# KiCad board st225_20301.kicad_pcb (continued)
## Routing (per net, layer and track width the routed paths; a pad name or vN(x,y) marks a point on that pad's centre or on a via; arc(x,y) is an arc through that point) (continued)
/Digital and Stepper/RA0: length 44.5
  Top w0.254: 7D1.8 77.23,153.16 84.96,153.16 87,151.13 v1(90.42,151.13)
  Bottom w0.254: v1(90.42,151.13) 90.42,146.69 93.98,143.13 93.98,140.34 92.2,138.56 90.81,138.56 90.42,138.18 90.42,135.89 91.69,134.62 91.69,129.67
/Digital and Stepper/RA1: length 37.1
  Top w0.254: v1(92.96,153.8) 90.3,153.8 89.03,152.53 86.49,152.53 85.22,153.8 79.13,153.8 7D1.7
  Bottom w0.254: v1(92.96,153.8) 92.96,149.61 94.62,147.96 94.62,140.21 6D1.2
/Digital and Stepper/RA2: length 32
  Top w0.254: 7D1.6 79,156.33 80.9,154.43 85.85,154.43 86.61,153.67 v1(87.88,153.67)
  Bottom w0.254: 6D1.5 85.85,139.06 89.03,139.06 90.42,140.46 90.42,143.89 87.88,146.43 v1(87.88,153.67)
/Digital and Stepper/RA3: length 48
  Bottom w0.254: 7D1.5 81.54,157.87 82.17,158.5 89.41,158.5 90.3,157.61 90.3,153.92 89.03,152.65 89.03,146.94 93.34,142.62 93.34,140.59 91.95,139.19 90.42,139.19 89.79,138.56 85.98,138.56 85.34,137.92 85.34,130.94 84.07,129.67
/Digital and Stepper/RA4: length 31.6
  Bottom w0.254: 81.53,129.67 81.53,133.35 80.14,134.75 80.14,137.92 81.28,139.06 83.95,139.06 85.34,140.46 85.34,152.4 84.07,153.67 84.07,156.46 7D1.4
/Digital and Stepper/RA5: length 24.1
  Bottom w0.254: 6D1.6 82.8,138.56 84.33,138.56 85.6,139.83 87.25,139.83 87.76,140.34 87.76,144.91 86.62,146.05 7D1.3
/Digital and Stepper/RA6: length 33.1
  Bottom w0.254: 6D1.9 73.91,137.67 75.56,139.32 79.63,139.32 80.26,139.95 80.26,151.26 82.8,153.8 82.8,157.1 83.57,157.86 87.63,157.86 89.02,156.47 7D1.2
/Digital and Stepper/RA7: length 44.2
  Top w0.254: v1(81.53,147.32) v1(91.69,147.32)
  Bottom w0.254: 73.91,129.67 73.91,133.48 75.06,134.62 75.06,137.92 75.69,138.56 79.88,138.56 81.03,139.7 82.17,139.7 82.68,140.21 82.68,144.91 81.53,146.05 v1(81.53,147.32) ; 7D1.1 91.69,156.46 v1(91.69,147.32)
/Digital and Stepper/START/~{RUN}: length 76.5
  Top w0.254: 5B1.14 87.88,128.52 104.14,128.52 104.9,129.29 107.31,129.29 v1(107.44,129.16)
  Bottom w0.254: v1(107.44,129.16) 105.66,130.94 105.66,141.22 106.3,141.86 106.3,145.42 109.6,148.72 109.6,149.73 107.95,151.38 107.95,154.43 108.71,155.19 110.87,155.19 113.41,152.65 113.41,151.13 117.35,147.19 119.76,147.19 122.05,144.91 123.19,144.91 R50.2
DIR: length 54.2
  Top w0.254: 15.23,71.37 16.01,71.37 19.81,67.56 23.62,67.56 24.77,68.71 31.75,68.71 32.51,69.47 v1(34.29,69.47)
  Bottom w0.254: 33.02,40.77 34.29,42.04 34.29,49.02 33.78,49.53 32.38,49.53 31.75,50.17 31.75,53.98 35.05,57.28 35.05,68.71 v1(34.29,69.47)
FREF: length 62.6
  Top w0.254: 5B1.11 96.52,124.71 106.55,124.71 108.08,123.19 110.11,123.19 110.87,123.95 115.57,123.95 v1(120.14,119.38)
  Top w0.508: v1(133.86,123.19) 133.86,123.57 132.08,125.35 130.7,125.35
  Bottom w0.254: 135.38,110.24 134.24,110.24 133.1,111.38 133.1,122.43 v1(133.86,123.19) ; 130.7,125.35 130.7,124.48 129.79,123.57 124.84,123.57 120.65,119.38 v1(120.14,119.38)
HALL_IN: length 271.1
  Top w0.254: v1(71.12,40.13) 69.09,40.13 67.18,42.04 62.23,42.04 v1(61.09,43.18) ; 4A1.2 128.37,97.92 120.27,97.92 119.63,97.28 116.71,97.28 115.95,98.04 115.95,100.46 114.68,101.73 4B1.3 ; v1(102.87,53.85) 99.31,53.85 v1(98.93,53.47) ; 2J1.11 12.44,48.38 2J1.3 17.52,48.89 19.56,50.93 23.37,50.93 24.64,49.66 26.42,49.66 26.8,50.04 26.8,51.69 30.35,55.25 36.83,55.25 40.26,58.67 63.12,58.67 v1(63.5,59.06) ; v1(118.11,39.37) 113.79,39.37 112.65,38.23 v1(110.36,38.23) 108.33,40.26 v1(108.33,44.7)
  Bottom w0.254: v1(108.33,44.7) 108.33,47.24 106.81,48.77 105.41,48.77 102.87,51.31 v1(102.87,53.85) 102.87,56.01 103.5,56.64 103.5,59.82 104.27,60.58 104.27,65.66 106.04,67.44 106.04,69.98 104.27,71.76 104.27,79.38 113.03,86.49 113.03,89.66 111.89,90.81 111.89,91.88 113.16,93.15 113.16,94.74 112.52,95.38 112.52,99.95 4B1.3 ; 108.71,30.48 110.36,32.13 v1(110.36,38.23) ; 71.75,38.86 73.66,38.86 74.29,38.23 78.23,38.23 81.28,41.28 85.85,41.28 88.39,43.82 88.39,47.88 89.03,48.51 89.03,50.93 92.07,53.98 98.42,53.98 v1(98.93,53.47) ; 71.75,38.86 71.75,37.21 73.03,35.94 73.03,31.12 72.26,30.35 72.26,29.21 1E1.9 ; 71.75,38.86 71.75,39.5 v1(71.12,40.13) ; J4.1 126.88,39.88 123.82,39.88 123.06,40.64 119.38,40.64 v1(118.11,39.37) ; v1(63.5,59.06) 63.5,55.5 62.23,54.23 62.23,44.32 v1(61.09,43.18)
LIFE_TEST: length 143.5
  Top w0.254: 5B1.33 101.73,109.47 99.31,107.06 98.17,107.06 R32.2 ; v1(48.77,46.48) 52.07,46.48 53.85,48.26 61.72,48.26 64.13,45.85 67.18,45.85 69.22,47.88 72.26,47.88 74.29,45.85 v1(78.1,45.85)
  Bottom w0.254: R32.2 97.92,99.19 92.2,93.47 92.2,60.45 85.85,54.1 85.85,51.44 85.22,50.8 85.22,46.99 82.68,44.45 79.5,44.45 v1(78.1,45.85) ; J7.8 44.45,21.59 44.45,23.88 45.72,25.15 45.72,30.61 46.48,31.37 47.24,31.37 48.26,32.39 48.26,34.04 47.5,34.8 47.5,36.07 48.26,36.83 48.26,45.97 v1(48.77,46.48)
RD_DATA: length 192.5
  Top w0.254: v1(9.65,101.22) C15.2 ; 1D1.2 87.76,16.76 85.98,16.76 84.33,18.42 83.19,18.42 82.68,17.91 82.68,17.4 81.91,16.64 70.23,16.64 68.45,14.86 66.8,14.86 65.91,13.97 63.75,13.97 61.21,16.51 59.18,16.51 58.55,15.88 58.55,13.97 54.36,13.97 51.94,16.38 34.54,16.38 32.77,14.61 28.7,14.61 27.3,16 26.03,16 25.4,15.37 25.4,14.73 24.64,13.97 23.62,13.97 21.84,15.75 17.27,15.75 v1(15.88,17.15)
  Bottom w0.254: v1(15.88,17.15) 15.37,17.65 12.19,17.65 11.3,18.54 11.3,35.81 8.13,38.99 8.13,60.58 10.8,63.25 10.8,91.82 8.89,93.73 8.89,95 9.65,95.76 v1(9.65,101.22) 11.68,103.25 14.1,103.25 17.92,107.08 17.92,108.08
READY: length 142.6
  Top w0.254: 1F1.1 63.37,15.37 61.47,17.27 58.8,17.27 58.17,16.64 55.88,16.64 53.47,19.05 48.01,19.05 47.37,18.42 32.12,18.42 1H1.2 ; v1(28.07,92.33) 24.89,95.5 14.09,95.5 4J1.12
  Bottom w0.254: v1(28.07,92.33) 28.7,91.69 28.7,85.85 27.43,84.58 27.43,79.63 RP13.6 27.43,75.82 28.7,75.82 30.1,74.42 30.1,63.5 32.38,61.21 32.38,56.9 30.48,54.99 30.48,49.02 31.24,48.26 31.24,37.08 27.56,33.4 27.56,22.99 25.4,20.83 25.4,19.18 26.16,18.42 28.31,18.42 1H1.2
RECOVERY_MODE: length 128.2
  Top w0.254: v1(33.02,85.34) 27.18,85.34 v1(25.4,87.12) ; v1(74.93,114.43) 75.95,114.43 76.96,113.41 78.61,113.41 81.03,115.82 82.93,115.82 83.69,115.06 85.34,115.06 85.98,115.7 87.12,115.7 88.01,114.81 91.31,114.81 92.07,115.57 93.6,115.57 94.74,114.43 v1(98.55,114.43) ; v1(44.45,99.06) 43.56,99.95 v1(40.77,99.95)
  Bottom w0.254: 5B1.36 108.08,113.16 99.82,113.16 v1(98.55,114.43) ; 3J1.6 21.46,80.38 21.46,84.58 22.23,85.34 23.62,85.34 v1(25.4,87.12) ; v1(74.93,114.43) 74.93,110.24 70.99,106.3 58.04,106.3 54.36,102.62 52.07,102.62 49.91,100.46 46.74,100.46 45.34,99.06 v1(44.45,99.06) 44.45,91.19 38.61,85.34 v1(33.02,85.34)
  Bottom w0.508: R51.2 v1(40.77,99.95)
RMODE_IN: length 95.4
  Top w0.254: 3J1.5 24,77.6 24,77.6 24,78.23 24.64,78.87 v1(38.23,78.87) ; RP14.7 43.18,38.23 v1(43.31,38.1) 44.45,36.96 v1(52.07,36.96)
  Bottom w0.254: v1(52.07,36.96) 52.07,34.54 52.71,33.91 52.71,31.75 50.29,29.34 49.53,29.34 48.26,28.07 48.26,27.05 49.53,25.78 49.53,24.13 50.8,22.86 ; v1(43.31,38.1) 44.58,39.37 44.58,65.02 43.18,66.42 43.18,73.91 v1(38.23,78.87)
SEEK_COMPLETE: length 94.5
  Top w0.254: 25.4,50.93 24,52.32 24,52.83 23.24,53.59 19.43,53.59 18.29,54.74 v1(13.21,54.74) ; v1(17.27,91.19) 16.77,91.69 4J1.13
  Bottom w0.254: 1J1.1 17.78,21.58 17.78,28.19 18.92,29.34 18.92,38.23 19.56,38.86 21.59,38.86 24,41.28 24,49.53 25.4,50.93 ; v1(13.21,54.74) 13.21,58.67 16.64,62.1 16.64,67.44 16.51,67.56 16.51,69.72 17.14,70.36 17.14,75.18 16.64,75.69 16.64,90.55 v1(17.27,91.19)
STEP: length 57.6
  Top w0.254: v1(12.06,67.56) 13.84,69.34 13.84,72.14 14.35,72.64 16.26,72.64 16.89,72.01 16.89,71.18 19.25,68.83 3J1.2 ; v1(10.8,97.92) 19.29,97.92 4J1.4
  Bottom w0.254: v1(10.8,97.92) 10.8,96.39 11.43,95.76 11.43,70.1 12.06,69.47 v1(12.06,67.56)
WCURR0: length 133.1
  Top w0.254: v1(72.39,42.42) 72.39,39.12 71.75,38.48 71.75,37.08 72.52,36.32 74.29,36.32 v1(74.93,36.96)
  Bottom w0.254: 5B1.6 106.81,125.73 105.79,124.71 105.79,118.49 104.9,117.6 97.79,117.6 92.84,112.65 92.84,109.98 85.09,102.24 85.09,62.1 76.84,53.85 76.84,49.02 73.41,45.59 73.41,43.43 v1(72.39,42.42) ; v1(74.93,36.96) 74.93,30.86 73.66,29.59 73.66,23.5 72.39,22.23 72.39,19.18 1E1.13
WCURR1: length 124.6
  Top w0.254: v1(73.03,37.47) 73.66,38.1 v1(73.66,40.64)
  Bottom w0.254: 5B1.5 106.3,124.08 106.3,117.86 104.78,116.33 97.79,116.33 95.38,113.92 95.38,111.25 86.36,102.24 86.36,62.1 77.98,53.72 77.98,48.64 74.17,44.83 74.17,41.15 v1(73.66,40.64) ; 1E1.11 73.03,24.89 73.03,30.23 73.66,30.86 73.66,36.83 v1(73.03,37.47)
WRITE_FAULT: length 170.3
  Top w0.254: 4H1.12 23.11,96.77 v1(26.92,96.77) ; v1(58.55,49.66) 56.51,49.66 55.88,49.02 53.34,49.02 52.07,47.75 48.51,47.75 45.34,44.58 43.82,44.58 41.91,42.67 41.91,40.64 40.64,39.37 32.77,39.37 32.64,39.5 v1(26.67,39.5) ; v1(35.69,82.8) 32.38,79.5 28.96,79.5 28.19,80.26 RP13.7 ; 1J1.11 1J1.4
  Bottom w0.254: v1(35.69,82.8) 36.96,84.07 39.62,84.07 46.99,76.71 46.99,75.18 58.55,63.63 v1(58.55,49.66) 58.55,46.48 59.05,45.97 59.05,37.97 60.83,36.2 60.83,30.86 62.61,29.08 62.61,27.81 1F1.5 ; 1J1.4 21.46,28.07 21.46,36.83 24.13,39.5 v1(26.67,39.5) ; RP13.7 24.26,81.53 24.26,84.2 26.8,86.74 26.8,89.66 25.4,91.06 25.4,94.11 26.03,94.74 26.03,95.89 v1(26.92,96.77)
~{DC_UNSAFE}: length 162.6
  Top w0.254: 1D1.10 80.01,29.34 76.58,29.34 70.23,35.69 67.18,35.69 65.91,34.42 59.05,34.42 57.79,33.15 53.98,33.15 52.71,34.42 48.13,34.42 47.5,35.05 44.58,35.05 43.82,34.29 34.29,34.29 31.75,31.75 28.7,31.75 27.3,33.15 24.77,33.15 23.37,31.75 21.97,31.75 20.57,33.15 19.69,33.15 v1(12.7,40.13)
  Bottom w0.254: v1(12.7,40.13) 11.94,40.89 11.94,58.55 13.97,60.58 13.97,69.6 14.48,70.1 15.88,70.1 16.51,70.74 16.51,74.8 16.13,75.18 14.48,75.18 13.84,75.82 13.84,82.3 15.37,83.82 15.37,93.85 14.73,94.49 14.73,98.81 18.41,102.49 18.41,104.52 19.81,105.92 25.92,105.92 28.08,108.08
~{INDEX}: length 37.7
  Top w0.254: v1(73.66,21.59) 73.53,21.72 69.47,21.72 68.71,22.48 66.93,22.48 66.17,21.72 61.72,21.72 60.45,22.99 1F1.11
  Bottom w0.254: v1(73.66,21.59) 73.66,14.22 78.36,9.53 79.25,9.53 80.52,8.26 J1.20
~{OUT_EN}: length 214.9
  Top w0.254: v1(28.7,94.23) 28.7,97.03 27.81,97.92 21.83,97.92 4J1.5 15.36,99.31 4J1.9 ; 1J1.10 1J1.5 21.46,28.05 21.46,24.77 22.1,24.13 23.75,24.13 24.13,24.51 24.13,26.04 24.89,26.8 27.18,26.8 28.57,25.4 1H1.4 32.25,27.43 47.62,27.43 49.02,26.04 50.29,26.04 51.69,27.43 54.86,27.43 56.77,25.53 1F1.10 59.18,25.53 61.6,23.11 64.77,23.11 1F1.4 ; 1F1.2 63.25,19.56 62.48,19.56 61.6,18.67 58.04,18.67 1F1.13 ; v1(45.97,73.79) R9.2
  Bottom w0.254: v1(28.7,94.23) 29.34,93.6 29.34,85.34 31.88,82.8 33.66,82.8 34.8,81.66 36.32,81.66 37.46,82.8 39.5,82.8 45.97,76.33 v1(45.97,73.79) 46.1,73.79 54.74,65.15 54.74,38.86 58.55,35.05 58.55,26.8 1F1.10 ; 1F1.2 63.5,19.3 63.5,21.59 1F1.4 ; 1J1.5 18.29,27.44 18.29,23.61 1J1.2
  Bottom w0.508: 1J1.10 1J1.9
~{READY}: length 32.5
  Bottom w0.254: J1.22 77.98,8.51 72.9,13.59 72.9,15.75 72.14,16.51 70.48,16.51 69.85,15.88 69.85,12.45 69.47,12.07 66.8,12.07 66.29,12.57 66.29,19.05 1F1.3
~{SEEK_COMPLETE}: length 123.5
  Top w0.254: v1(74.93,28.7) 71.12,32.51 59.69,32.51 59.05,31.88 51.94,31.88 v1(51.43,32.39) ; v1(45.85,15.24) 45.72,15.24 43.82,13.34 35.05,13.34 34.54,13.84 27.56,13.84 v1(26.67,14.73)
  Bottom w0.254: v1(26.67,14.73) 24.89,16.51 22.1,16.51 21.46,17.15 21.46,22.97 1J1.3 ; v1(45.85,15.24) 45.85,16.64 46.99,17.78 46.99,23.62 48.26,24.89 48.26,25.91 47.62,26.54 47.62,28.7 49.15,30.23 49.78,30.23 51.43,31.88 v1(51.43,32.39) ; J1.8 95.76,8 93.6,10.16 92.58,10.16 89.41,13.34 87.63,13.34 85.09,15.88 82.8,15.88 82.17,16.51 80.65,16.51 80.14,16 80.14,14.61 79.38,13.84 77.34,13.84 76.33,14.86 76.33,22.61 76.71,22.99 76.71,25.4 76.33,25.78 76.33,27.31 v1(74.93,28.7)
~{START}/RUN: length 211.4
  Top w0.254: v1(75.69,40.13) 75.69,38.48 v1(77.47,36.7) ; 4A1.1 v1(127.12,96.63) 4A1.7 116.73,96.63 115.32,98.04 112.65,98.04 v1(111.12,96.52)
  Top w0.508: R53.1 129.92,140.65 131.7,138.87 v1(131.7,138.43)
  Bottom w0.254: R53.1 129.92,142.24 130.17,142.49 130.17,144.15 126.49,147.83 126.49,151.26 124.71,153.04 R52.2 ; v1(75.69,40.13) 77.72,40.13 80.14,42.55 84.58,42.55 87.12,45.09 87.12,49.15 87.76,49.78 87.76,52.32 90.81,55.37 98.04,55.37 98.55,55.88 98.55,59.18 99.69,60.33 100.97,60.33 101.73,61.09 101.73,87 105.54,90.81 105.54,99.95 106.04,100.46 107.31,100.46 107.7,100.84 110.74,100.84 111.12,100.46 v1(111.12,96.52) ; v1(77.47,36.7) 76.33,35.56 76.33,28.45 76.96,27.81 76.96,26.04 77.34,25.65 77.34,22.73 76.84,22.23 76.84,17.27 1E1.1 ; v1(127.12,96.63) 125.6,98.15 125.6,101.73 130.81,106.93 130.81,123.06 133.73,125.98 133.73,131.57 131.7,133.6 v1(131.7,138.43)
~{TRACK000}: length 57.9
  Top w0.254: v1(74.93,26.67) 72.26,29.34 69.47,29.34 68.83,29.97 66.68,29.97 66.17,29.46 62.87,29.46 61.72,30.61 1F1.8
  Bottom w0.254: J1.10 93.22,8.51 89.03,12.7 87,12.7 84.46,15.24 83.06,15.24 81.15,13.34 76.84,13.34 75.69,14.48 75.69,22.99 76.2,23.5 76.2,25.15 74.93,26.42 v1(74.93,26.67)
~{WRITE_FAULT}: length 46.1
  Top w0.254: 1F1.6 66.04,28.07 66.55,27.56 68.96,27.56 69.72,26.8 72.26,26.8 v1(74.93,24.13)
  Bottom w0.254: J1.12 90.68,10.29 88.9,12.07 86.87,12.07 84.33,14.61 83.31,14.61 81.41,12.7 76.33,12.7 74.93,14.1 v1(74.93,24.13)
Net-(1D1A-Cext): length 19.5
  Top w0.254: v1(86.36,21.08) 85.98,21.46 82.3,21.46 1D1.14
  Bottom w0.254: v1(86.36,21.08) 86.36,22.99 87.63,24.26 91.69,24.26 92.71,25.27 92.71,27.31 91.31,28.7 C22.2
Net-(1D1A-Clr): length 34
  Top w0.254: 1D1.3 88.26,19.81 82.42,19.81 81.79,19.18 v1(80.01,19.18)
  Bottom w0.254: 1D1.3 90.17,19.18 90.17,14.73 93.6,11.3 95.25,11.3 ; v1(80.01,19.18) 82.17,19.18 82.68,19.69 82.68,26.67 1D1.11
Net-(1D1A-Q): length 3.6
  Bottom w0.508: 1E1.3 1D1.13
Net-(1D1A-RCext): length 34
  Top w0.254: v1(86.49,18.16) 85.47,19.18 82.55,19.18 1D1.15
  Bottom w0.254: C22.1 91.57,39.04 91.57,34.16 92.58,33.15 92.58,29.21 R33.2 93.73,22.61 92.84,21.72 88.26,21.72 87.76,21.21 87.76,19.43 v1(86.49,18.16)
Net-(1D1B-Cext): length 21.5
  Top w0.254: v1(97.92,38.86) 96.27,37.21 96.27,31.12 94.49,29.34 93.09,29.34 91.82,28.07 1D1.6
  Bottom w0.254: C23.2 97.92,42.04 v1(97.92,38.86)
Net-(1D1B-RCext): length 13.9
  Top w0.254: C23.1 95.76,26.67 R34.2
  Bottom w0.254: 1D1.7 87.63,29.34 87.63,27.43 88.39,26.67 R34.2
Net-(1D1B-~{Q}): length 232.9
  Top w0.254: v1(80.14,52.2) 74.55,52.2 v1(73.15,50.8) ; 89.79,117.73 v1(89.66,117.6) 90.42,118.36 102.87,118.36 103.5,117.73 110.24,117.73 v1(110.62,118.11) ; 25.4,40.77 26.67,42.04 40.13,42.04 43.31,45.21 44.96,45.21 48.13,48.39 51.56,48.39 52.83,49.66 55.24,49.66 56.51,50.93 61.09,50.93 62.99,49.02 v1(66.93,49.02) ; 6D1.1 95.76,137.29 96.27,136.78 104.78,136.78 105.16,137.16 v1(106.93,137.16) ; v1(80.77,38.86) 80.77,45.21 v1(80.14,45.85)
  Bottom w0.254: v1(80.77,38.86) 81.28,38.86 82.68,37.47 82.68,29.97 82.04,29.34 80.65,29.34 79.88,28.58 79.88,26.92 1D1.12 ; v1(80.14,52.2) v1(80.14,45.85) ; v1(89.66,117.6) 89.66,114.05 90.3,113.41 90.3,111.25 89.79,110.74 89.15,110.74 83.82,105.41 83.82,62.1 73.15,51.44 v1(73.15,50.8) 72.14,50.8 70.36,49.02 v1(66.93,49.02) ; v1(106.93,137.16) 106.17,136.4 106.17,131.19 107.14,130.23 108.15,130.23 110.62,127.76 v1(110.62,118.11) 113.16,115.57 113.16,113.67 113.79,113.03 115.82,113.03 5B1.39
Net-(1E1-Pad2): length 28.5
  Top w0.254: 1E1.2 78.23,17.91 77.09,19.05 77.09,20.96 77.85,21.72 81.79,21.72 82.42,22.35 87.38,22.35 88.01,21.72 92.58,21.72 96.65,17.65 R19.2
Net-(1E1-Pad8): length 164.7
  Top w0.254: v1(100.33,58.93) 105.54,58.93 v1(105.66,59.06) ; v1(127.13,99.19) 127.11,99.17 4A1.6 120.03,99.17 120.01,99.19 119.25,98.43 v1(117.6,98.43)
  Bottom w0.254: v1(105.66,59.06) 106.68,59.06 108.08,60.45 108.08,62.23 106.43,63.88 106.43,65.79 107.31,66.68 107.31,70.23 105.66,71.88 105.66,78.87 108.71,81.28 113.54,81.28 118.24,85.09 118.24,94.23 117.6,94.87 v1(117.6,98.43) ; R16.2 135.51,126.75 131.83,123.06 131.83,106.93 132.08,106.68 133.35,106.68 133.98,106.05 133.98,101.98 133.1,101.09 131.32,101.09 130.56,100.33 128.27,100.33 v1(127.13,99.19) ; 1E1.8 72.52,32 72.52,35.18 71.12,36.58 71.12,37.97 69.85,39.24 69.85,40.89 70.36,41.4 71.75,41.4 72.52,40.64 72.52,39.75 72.9,39.37 74.29,39.37 74.93,38.74 77.72,38.74 80.77,41.78 85.22,41.78 87.76,44.32 87.76,48.26 88.39,48.9 88.39,51.56 91.44,54.61 98.42,54.61 99.19,55.37 99.19,57.79 v1(100.33,58.93)
Net-(1E1-Pad10): length 5.6
  Bottom w0.254: 1E1.10 69.47,23.88 69.47,22.72 RP11.4
Net-(1E1-Pad12): length 8.2
  Bottom w0.254: RP11.1 69.34,14.98 69.34,18.67 1E1.12
Net-(1H1-Pad6): length 274.6
  Top w0.254: v1(75.44,43.31) 72.39,46.36 v1(69.85,46.36) ; v1(109.35,125.1) 118.36,125.1 v1(120.27,123.19) ; v1(69.72,34.42) 67.44,34.42 66.68,33.66 59.69,33.66 58.55,32.51 53.85,32.51 52.58,33.78 47.88,33.78 47.37,34.29 45.09,34.29 44.45,33.66 44.45,32.64 43.56,31.75 33.91,31.75 32.64,30.48 1H1.6 ; v1(122.81,166.5) 123.95,165.35 125.73,165.35 129.41,169.04 129.41,177.67 128.78,178.31 128.78,188.72 126.24,191.26 R12.2 ; v1(100.58,114.3) 104.52,114.3 105.54,113.28 105.54,111.51 102.23,108.2 102.23,106.43 v1(99.82,104.01)
  Bottom w0.254: v1(75.44,43.31) 78.1,43.31 78.61,43.82 83.31,43.82 85.85,46.36 85.85,50.04 86.36,50.55 86.36,53.47 92.84,59.94 92.84,93.34 99.82,100.33 v1(99.82,104.01) ; v1(100.58,114.3) 105.54,114.3 106.93,115.7 106.93,122.68 v1(109.35,125.1) ; v1(122.81,166.5) 120.52,166.5 119.13,165.1 119.13,149.23 122.43,145.92 123.95,145.92 128.4,141.48 128.4,137.29 120.9,129.79 120.9,123.83 v1(120.27,123.19) ; v1(69.72,34.42) 69.09,35.05 69.09,37.21 67.94,38.35 67.94,44.45 v1(69.85,46.36)
  Bottom w0.762: C18.1 126.24,194.61 R12.2
Net-(1H1-Pad11): length 79.7
  Top w0.254: 1H1.5 25.14,27.94 1H1.11 ; 3J1.4 24,75.06 24,75.69 24.77,76.45 v1(38.23,76.45)
  Bottom w0.254: 1H1.5 31.75,29.47 31.75,31.62 34.54,34.42 36.07,34.42 38.23,36.58 38.23,42.16 40.01,43.94 40.01,65.79 38.23,67.56 v1(38.23,76.45)
Net-(1H1-Pad12): length 97.4
  Top w0.254: v1(27.94,21.59) 23.88,21.59 22.61,22.86 1H1.12 ; v1(38.73,47.75) 39.5,48.51 42.04,48.51 45.72,52.2 46.86,52.2 48.77,54.1 55.37,54.1 56.64,52.83 63.37,52.83 v1(63.5,52.71)
  Bottom w0.254: v1(63.5,52.71) 63.5,51.56 62.87,50.93 62.87,39.12 66.04,35.94 66.04,25.64 RP11.5 ; v1(38.73,47.75) 38.73,46.48 37.59,45.34 37.59,44.07 36.7,43.18 36.7,40.13 36.2,39.62 35.05,39.62 34.42,38.99 34.42,37.47 33.78,36.83 32.13,36.83 28.57,33.27 28.57,22.23 v1(27.94,21.59)
Net-(1J1-Pad12): length 59.1
  Bottom w0.254: 10.92,61.09 R10.1 12.7,65.66 13.34,66.29 13.34,70.1 13.97,70.74 13.97,72.76 13.22,73.51 C17.1 ; 10.92,61.09 10.03,61.09 8.76,59.82 8.76,39.62 12.06,36.32 13.21,36.32 13.97,35.56 13.97,25.66 1J1.12 ; 10.92,61.09 12.83,61.09
Net-(2H1A-C): length 142.1
  Top w0.254: 4J1.6 21.71,103.12 31.12,103.12 32.38,101.85 42.16,101.85 v1(44.58,104.27) ; RP13.3 19.56,70.1 v1(18.41,71.25) ; 2H1.3 27.94,43.31 2H1.11
  Bottom w0.254: 18.54,98.81 18.54,96.12 4J1.3 ; 18.54,98.81 18.54,99.95 4J1.6 ; 18.54,98.81 16.26,98.81 15.37,97.92 15.37,95.12 18.54,91.95 18.54,90.55 17.14,89.15 17.14,75.95 17.91,75.18 17.91,71.76 v1(18.41,71.25) ; 2H1.11 26.67,47.12 26.67,68.96 RP13.3 ; 5B1.21 71.25,110.87 68.07,107.7 57.28,107.7 53.47,103.89 51.56,103.89 49.4,101.73 47.12,101.73 v1(44.58,104.27)
Net-(2H1A-Q): length 148.7
  Top w0.254: v1(78.87,117.6) 80.39,117.6 81.66,118.87 103.12,118.87 103.84,118.16 106.1,118.16 107.31,119.38 v1(108.2,119.38) ; v1(67.94,56.01) 62.23,56.01 60.96,54.74 58.42,54.74 57.15,56.01 46.86,56.01 44.96,54.1 43.94,54.1 40.77,50.93 37.34,50.93 35.94,49.53 34.67,49.53 33.53,48.39 2H1.5
  Bottom w0.254: v1(67.94,56.01) 72.52,56.01 78.87,62.36 78.87,109.86 80.14,111.12 80.14,112.65 78.87,113.92 v1(78.87,117.6) ; v1(108.2,119.38) 108.2,115.57 5B1.37
Net-(2H1A-~{R}): length 38.7
  Top w0.254: RP13.2 31.12,67.56 v1(31.75,66.93)
  Bottom w0.254: 2H1.1 31.75,39.5 31.75,44.58 2H1.4 31.75,47.12 31.75,48.51 31.12,49.15 31.12,54.36 33.4,56.64 33.4,61.34 31.75,62.99 v1(31.75,66.93)
Net-(2H1B-~{S}): length 125.7
  Top w0.254: v1(67.94,58.93) 67.56,58.93 66.68,58.04 64.52,58.04 64.39,57.91 62.74,57.91 62.61,58.04 40.64,58.04 37.34,54.74 30.61,54.74 27.3,51.44 27.3,49.78 25.91,48.39 2H1.10
  Bottom w0.254: v1(67.94,58.93) 69.6,57.28 72.52,57.28 77.72,62.48 77.72,120.9 78.87,122.05 5B1.17
Net-(2J1A-D): length 22
  Top w0.254: 2J1.10 8.64,52.2 8.64,45.09 9.27,44.45 13.46,44.45 14.86,45.85 17.51,45.85 2J1.2 18.92,45.84 RP12.2
Net-(2J1A-Q): length 254.6
  Top w0.254: v1(87.12,25.53) 85.85,24.26 78.1,24.26 73.03,19.18 69.47,19.18 68.71,19.94 66.8,19.94 66.04,19.18 64.39,19.18 63.25,20.32 61.6,20.32 60.45,19.18 58.55,19.18 1F1.12 ; 2J1.5 12.2,53.46 10.92,54.74 9.14,54.74 8.13,53.72 8.13,51.56 7.16,50.59 C44.2 ; v1(86.36,37.59) 86.36,40.26 85.09,41.53 85.09,47.75 v1(83.95,48.9) ; v1(21.59,58.67) 21.59,60.45 22.23,61.09 23.62,61.09 24.13,60.58 27.18,60.58 28.07,59.69 29.08,59.69 29.84,60.45 35.56,60.45 36.83,61.72 42.54,61.72 43.82,62.99 55.24,62.99 v1(55.88,63.63)
  Bottom w0.254: v1(83.95,48.9) 83.95,50.93 85.22,52.2 85.22,54.86 91.57,61.21 91.57,97.28 95.5,101.22 95.5,106.93 99.06,110.49 113.03,110.49 5B1.38 ; 1F1.12 59.18,22.35 59.18,35.81 55.88,39.12 v1(55.88,63.63) ; v1(21.59,58.67) 21.59,54.1 20.95,53.47 17.52,53.47 2J1.5 ; v1(87.12,25.53) 87.12,26.92 86.36,27.69 v1(86.36,37.59)
Net-(2J1A-~{R}): length 26.5
  Top w0.254: C36.1 9.65,40.59 C44.1 ; 10.03,39.75 10.03,41.4 10.54,41.91 15.37,41.91 17.14,40.13 v1(17.14,39.5) 18.41,39.5 R60.1
  Bottom w0.254: 2J1.1 17.52,39.87 v1(17.14,39.5)
Net-(2J1A-~{S}): length 112.2
  Top w0.254: v1(59.82,56.52) 58.93,57.4 45.97,57.4 43.82,55.25 42.42,55.25 39.37,52.2 35.05,52.2 34.29,51.44 34.29,50.29 33.66,49.66 29.72,49.66 27.18,47.12 22.99,47.12 RP12.3 20.07,49.78 19.05,48.77 19.05,47.5 18.67,47.12 14.22,47.12 12.95,45.84 2J1.13 ; v1(61.09,40.64) 67.18,40.64 72.26,35.56 78.23,35.56 78.36,35.69 79.38,35.69 80.52,36.83 v1(81.41,36.83)
  Bottom w0.254: v1(81.41,36.83) 77.47,32.89 77.47,29.34 1E1.6 ; 2J1.4 18.65,49.78 RP12.3 ; v1(61.09,40.64) 59.82,41.91 v1(59.82,56.52)
Net-(2J1B-D): length 23.4
  Bottom w0.254: R60.2 11.43,38.86 11.43,46.85 2J1.12 11.43,49.92 11.43,57.01 2J1.8
Net-(4A1-Pad3): length 17.3
  Top w0.508: v1(127.76,86.87) 130.3,84.33 R29.2
  Bottom w0.254: 4A1.3 128.4,97.91 128.4,87.5 v1(127.76,86.87)
Net-(4A1-Pad5): length 72.8
  Top w0.508: v1(133.35,41.15) 133.35,38.74 R22.2
  Bottom w0.254: 4A1.5 120.78,100.45 120.78,64.52 123.7,61.59 126.49,61.59 127,61.09 127,59.18 129.16,57.02 130.56,57.02 131.2,56.38 131.2,54.85 131.44,54.61 131.44,43.05 v1(133.35,41.15)
Net-(4B1-12V): length 8.5
  Top w0.508: 103.63,94.23 4B1.8
  Bottom w0.762: 103.63,94.23 103.63,93.34 101.85,91.57 C31.1
Net-(4B1-COIL_A): length 27
  Top w0.254: R78.2 131.32,100.58 118.11,100.58 v1(117.6,101.09)
  Bottom w0.254: 4B1.6 111.89,101.73 113.03,102.87 115.19,102.87 116.97,101.09 v1(117.6,101.09)
Net-(4B1-COIL_B): length 21.2
  Bottom w0.254: 4B1.7 107.82,100.33 109.6,100.33 110.24,99.7 110.24,97.79 109.85,97.41 109.85,95.76 110.36,95.25 111.76,95.25 112.27,94.74 112.27,93.66 109.35,90.74 109.35,87.63 R49.2
Net-(4B1-FREF): length 26
  Top w0.254: 4B1.1 114.81,96.14 118.24,96.14 119.38,95 R15.1
  Bottom w0.254: R15.1 119.38,100.08 120.65,101.35 120.65,105.16 118.22,107.58 Q7.1
Net-(4B1-H-OUT): length 25.6
  Top w0.508: R58.1 107.31,106.55 v1(107.31,106.17)
  Bottom w0.254: 4B1.2 115.7,99.19 116.33,99.82 118.36,99.82 118.75,100.2 118.75,101.6 118.24,102.11 118.24,103.63 115.82,106.05 113.41,106.05 112.27,104.9 108.58,104.9 v1(107.31,106.17)
Net-(4B1-SENSE): length 16
  Top w0.508: 4B1.5 R17.2
  Bottom w0.254: 4B1.5 112.39,104.27 113.66,105.54 115.06,105.54 115.7,104.9 115.7,104.14 R23.2
Net-(4H1-0): length 47.3
  Top w0.254: v1(42.8,120.9) 42.79,120.9 5G1.9
  Bottom w0.254: 4H1.1 30.84,86.49 38.1,86.49 43.31,91.69 43.31,118.24 42.8,118.75 v1(42.8,120.9)
Net-(4H1-1): length 37.9
  Bottom w0.254: 5G1.11 42.67,112.89 42.67,92.46 39.36,89.14 4H1.2
Net-(4H1-2): length 28.5
  Bottom w0.254: 4H1.3 37.07,91.68 42.16,96.77 42.16,108.32 5G1.13
Net-(4H1-3): length 38.3
  Bottom w0.254: 4H1.4 33.64,94.22 34.29,94.87 34.29,96.39 35.56,97.66 35.56,102.87 36.83,104.14 36.83,109.09 35.18,110.74 35.18,116.46 38.23,119.51 40.13,119.51 41.15,120.52 41.15,122.03 5G1.8
Net-(4H1-A): length 13.8
  Top w0.254: 15.23,81.53 19.81,81.53 v1(19.81,81.53)
  Bottom w0.254: 4H1.15 22.72,89.14 19.81,86.23 v1(19.81,81.53)
Net-(4H1-B): length 22.5
  Top w0.254: 15.23,76.45 19.05,76.45 v1(19.69,77.09)
  Bottom w0.254: v1(19.69,77.09) 19.69,79.63 20.95,80.9 20.95,86.61 22.23,87.88 23.62,87.88 24.26,88.52 24.26,90.53 4H1.14
Net-(5B1-PA4): length 104.5
  Top w0.254: 4J1.2 21.7,90.42 24.38,90.42 25.4,89.41 v1(25.4,89.15) ; 5B1.34 103,113.16 93.47,113.16 92.84,112.52 92.84,111.38 92.07,110.62 73.28,110.62 v1(72.01,109.35) ; v1(44.45,101.73) 43.94,101.22 40.01,101.22 39.37,100.58 29.21,100.58 28.45,101.35 v1(26.16,101.35)
  Bottom w0.254: v1(72.01,109.35) 69.6,106.93 57.66,106.93 53.98,103.25 51.82,103.25 49.66,101.09 46.99,101.09 46.35,101.73 v1(44.45,101.73) ; v1(25.4,89.15) 24.77,89.79 24.77,94.36 25.53,95.12 25.53,98.17 26.16,98.81 v1(26.16,101.35)
Net-(5B1-PA7): length 100.1
  Top w0.254: v1(76.84,44.58) 79.5,41.91 v1(79.5,37.47)
  Bottom w0.254: 1E1.5 77.6,26.67 77.6,28.07 76.84,28.83 76.84,33.27 79.5,35.94 v1(79.5,37.47) ; 5B1.31 87.63,102.87 87.63,62.36 78.74,53.47 78.74,48.26 76.84,46.36 v1(76.84,44.58)